# Altium PCB Brake Module PCB.PcbDoc (part 2 of 3)
Units mm, origin at the board's own origin, x right, y up, seen from the top; angles counter-clockwise.
Board outline 88.4 x 110.16 mm, 4 copper layers (Top Layer, Int1 (GND), Int2 (PWR), Bottom Layer), stack 1.369 mm thick; 168 components, 99 nets, 551 pads, 223 vias.
Unrouted connection lines stored in the file: 3.
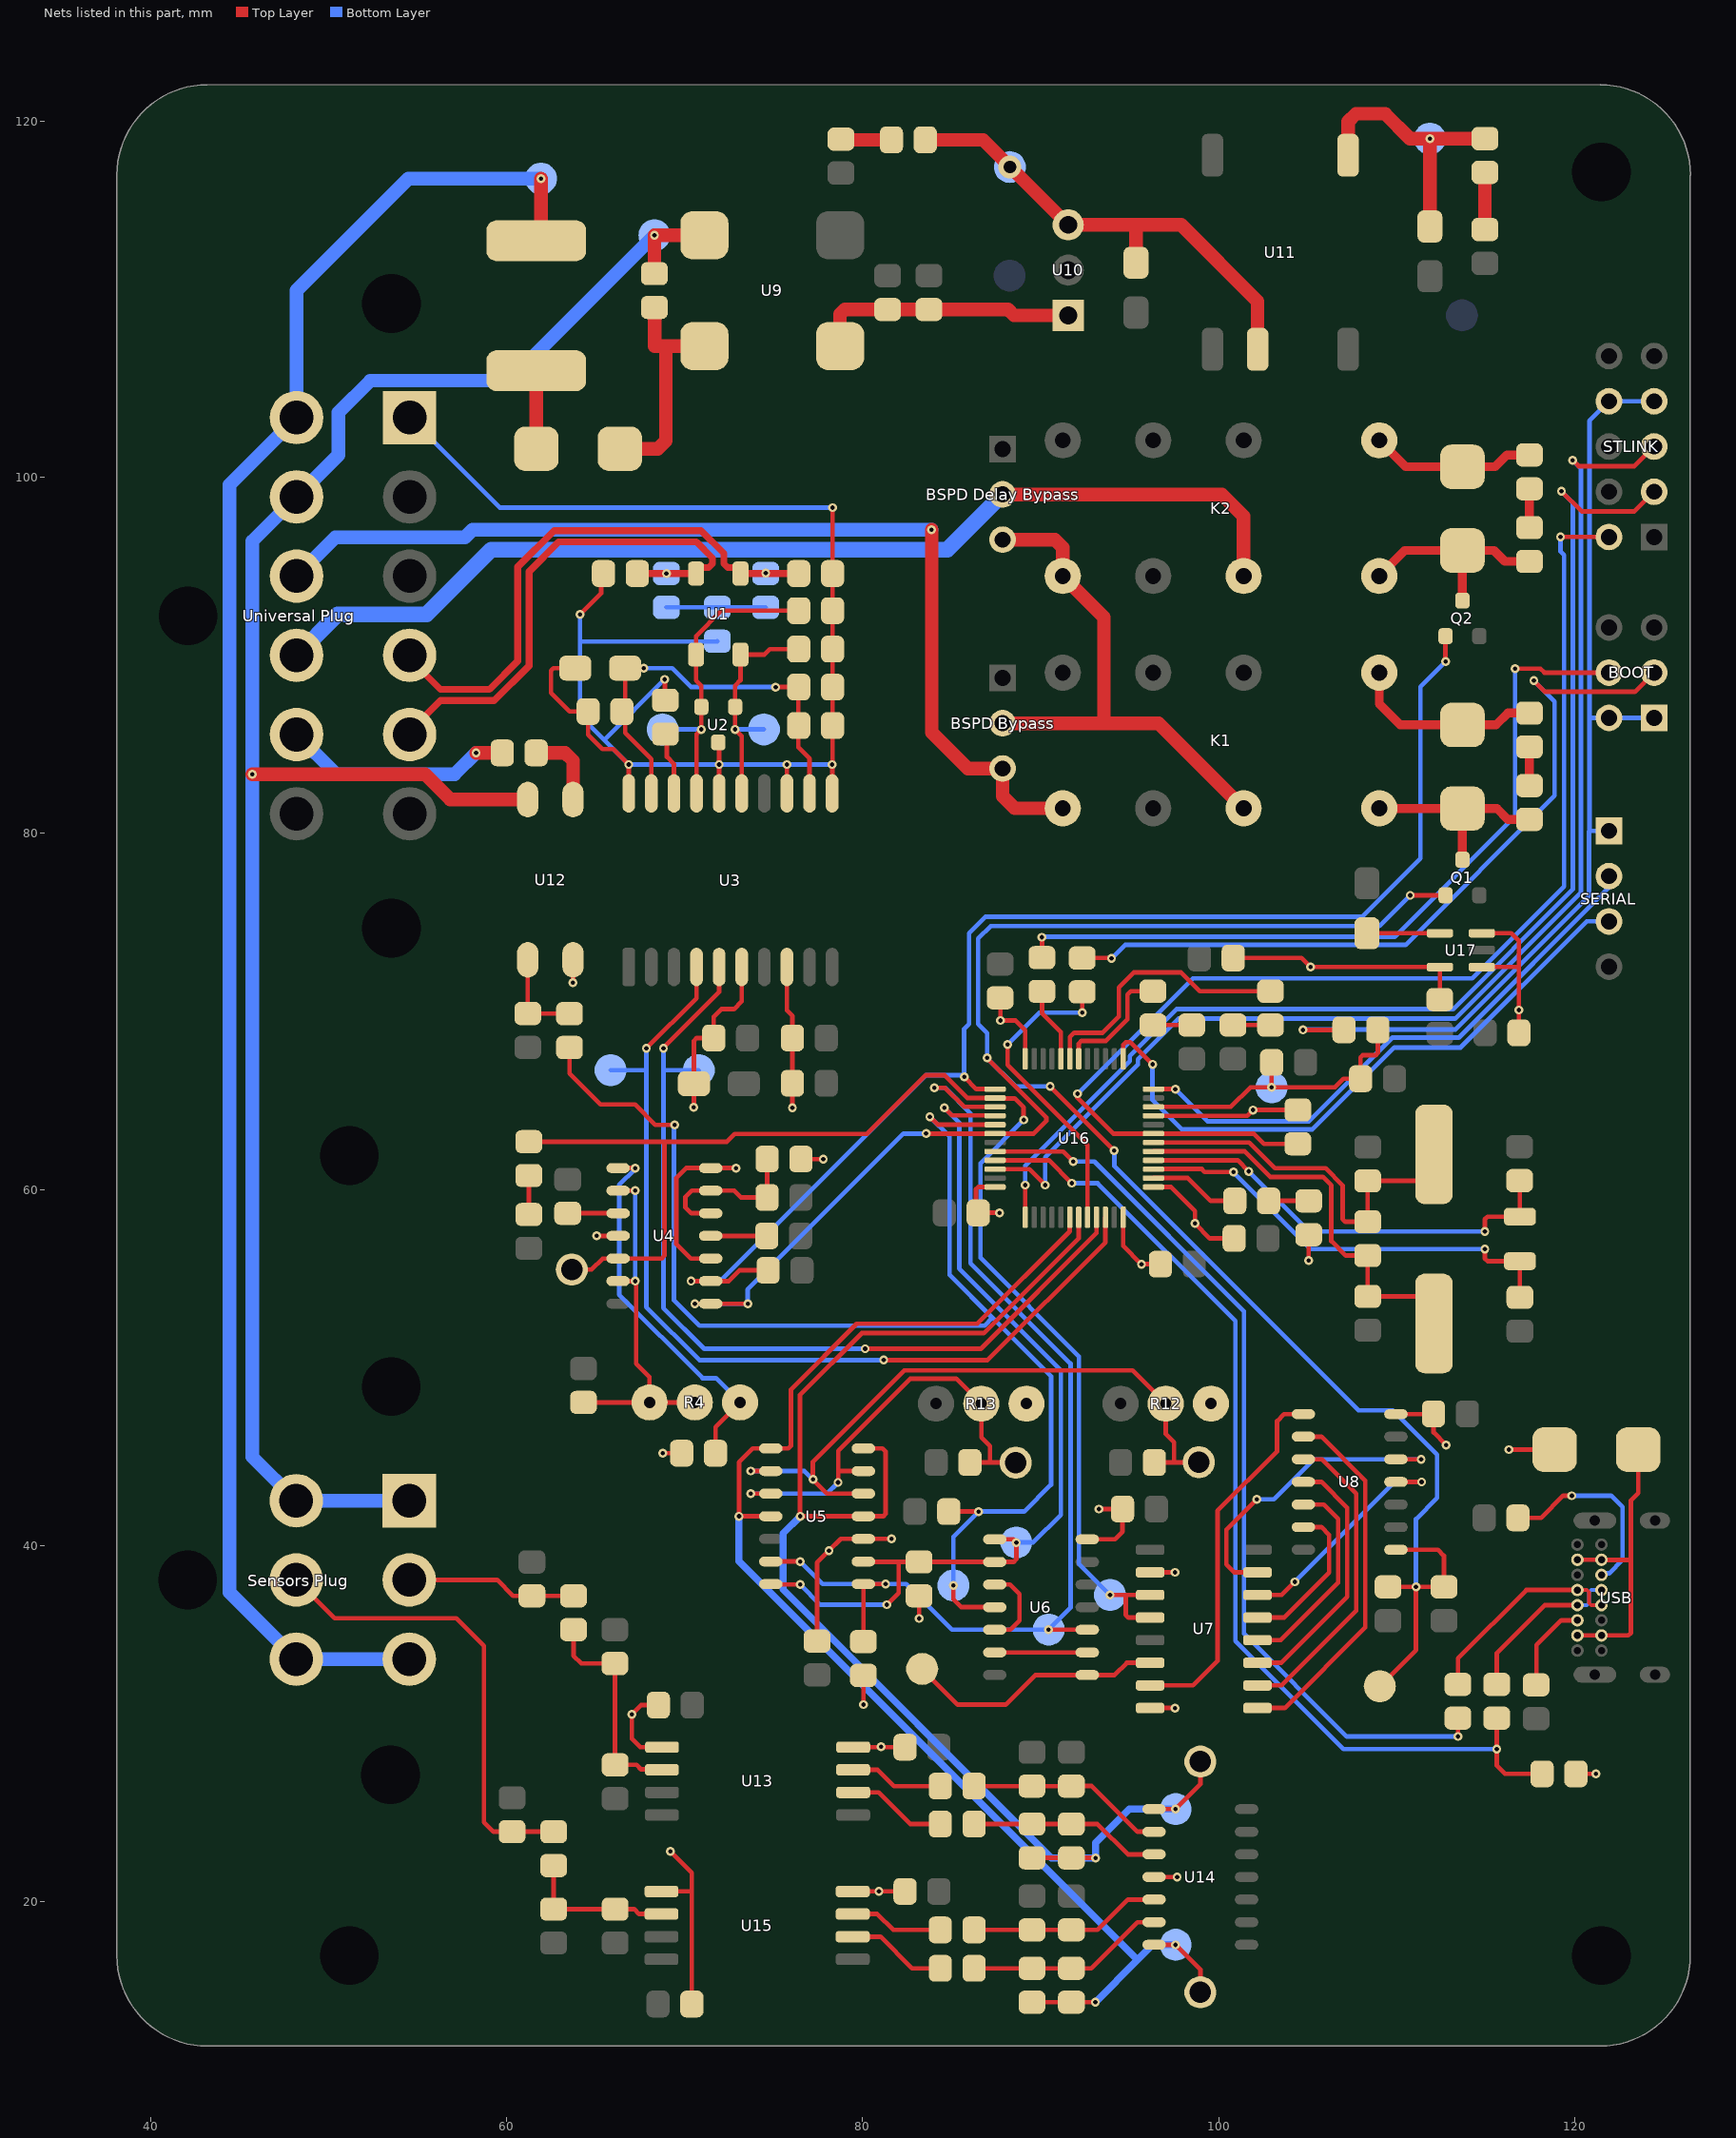
[diagram p4: the nets of this part, all layers, seen from the top]

## Via types
v1: diameter 0.5, hole 0.25, Top Layer to Bottom Layer, tented both sides, 220 vias
v2: diameter 1.27, hole 0.711, Top Layer to Bottom Layer, tented both sides, 2 vias
v3: diameter 0.5, hole 0.255, Top Layer to Bottom Layer, tented both sides, 1 vias

## Nets (pads, with @x,y where several pads share a name; then routed paths per layer and width w, separated by ;. In a path a pad name is that pad's centre, name@x,y a point inside that pad or via, vN(x,y) a via of type N, cw(c..) or ccw(c..) an arc to the next point about the centre after c; other vN are vias at no path point) (continued)
"3.3V (ISO)": BOOT.1 BOOT.2 C41.2 C42.2 C43.2 C44.2 C51.2 C52.2 D2.A R38.2 R43.2 SERIAL.1 STLINK.7 STLINK.8 U16.1 U16.9 U16.24 U16.36 U16.48 U17.5 | length 100.2
  Top Layer w0.254: 86.604,60.138 U16.36@87.433,60.138 86.479,60.138 86.36,60.019 86.36,58.7 v1@87.689,58.7 ; C42.2@87.715,71.216 87.731,71.201 v1(87.731,69.492) 88.573,69.492 89.133,68.932 U16.24@89.133,67.338 ; U16.48@94.633,58.438 94.633,56.828 v1(95.656,55.805) C44.2@96.725,55.805 ; U16.1@96.333,60.138 97.317,60.138 98.666,58.788 v1(98.666,58.09) 99.505,57.252 C41.2@100.865,57.252 ; U16.9@96.333,64.138 101.603,64.138 v1@101.93,64.465 ; C51.2@100.811,72.999 104.648,72.999 v1(105.155,72.492) U17.5@112.42,72.492 C52.2@112.42,70.661 ; v1(101.93,64.463) R38.2@104.446,64.463 ; v1(104.724,68.961) R43.2@107.036,68.961 ; v1(105.055,56.019) D2.A@105.055,57.458
  Bottom Layer w0.254: v1(104.724,68.961) 104.75,68.986 113.312,68.986 120.802,76.477 120.802,80.112 120.828,80.138 120.828,86.488 ; 120.853,80.138 SERIAL.1@121.92,80.138 ; BOOT.1@124.46,86.488 BOOT.2@121.92,86.488 120.828,86.488 ; STLINK.7@124.46,104.268 STLINK.8@121.92,104.268 120.828,103.175 120.828,86.488
  other v1: 87.689,58.684
5kW: "Universal Plug.8" R16.2 | length 13
  Top Layer w0.762: v1(58.276,84.521) R16.2@59.751,84.521
  Bottom Layer w0.762: 48.195,85.55 50.42,83.325 57.08,83.325 v1(58.276,84.521)
"5kW (ISO)": 5kW.1 R8.1 R18.1 U6.4 U16.29 | length 78.8
  Top Layer w0.254: R18.1@63.526,67.974 63.526,66.522 65.278,64.77 67.208,64.77 68.351,63.627 v1(69.437,63.627) ; v1(83.769,64.085) 84.208,63.646 U16.29@87.433,63.646 ; R8.1@84.833,41.911 v1(86.512,41.911) ; v1(85.097,37.759) 85.097,36.975 85.533,36.539 U6.4@87.415,36.539
  Bottom Layer w0.254: v1(69.437,63.627) 69.437,63.623 69.391,63.578 69.391,53.784 70.825,52.35 86.843,52.35 87.287,52.794 90.577,49.505 90.577,43.417 89.071,41.911 v1(86.512,41.911) 85.097,40.495 v1(85.097,37.759) ; v1(83.769,64.085) 84.875,62.979 84.875,55.2 87.284,52.791
5V: 5V.1 C27.2 C30.2 C35.2 D4.A U10.3 U11.2 U13.1 U15.1 | length 43
  Top Layer w0.254: C30.2@68.519,31.04 67.54,31.04 v1(67.025,30.525) 67.025,29.15 67.498,28.677 U13.1@68.719,28.677 ; U15.1@68.694,20.574 70.399,20.574 70.4,20.575 ; v1(69.2,22.825) 70.4,21.625 70.4,20.575 ; C35.2@70.4,14.249 70.4,20.575
  Top Layer w0.762: D4.A@83.512,118.951 86.766,118.95 U10.3@91.542,114.174 91.543,114.175 97.89,114.175 102.184,109.881 U11.2@102.184,107.185 ; C27.2@95.352,112.05 95.352,114.15
  other v2: 88.265,117.424
"5V (ISO)": "5V (ISO).1" C10.2 C11.2 C12.2 C13.2 C18.2 C19.2 C20.2 C28.2 C31.2 C36.2 C49.2 D5.A D6.K D7.A D8.K D9.A D10.K K1.1 K2.1 R2.2 R3.2 R9.2 R10.2 R12.3 R13.3 R32.2 U3.6 U3.8 U4.4 U4.10 U4.14 U5.3 U6.14 U7.10 U7.16 U8.14 U11.5 U12.4 U13.8 U14.4 U15.8 U17.1 U17.3 | length 111.5
  Top Layer w0.254: v1(63.723,71.623) U12.4@63.723,72.897 ; v1(65.055,57.393) U4.4@66.257,57.393 ; v1(68.758,45.187) R2.2@69.826,45.187 ; v1(70.51,64.618) 70.519,64.626 70.519,68.357 70.667,68.505 C11.2@71.63,68.505 71.63,69.7 72.06,70.13 72.771,70.13 73.203,70.562 U3.6@73.203,72.492 ; U4.10@71.457,56.123 70.34,56.123 69.527,56.936 69.527,60.644 70.086,61.203 U4.14@71.457,61.203 v1(72.88,61.203) ; U3.8@75.743,72.492 75.743,70.055 76.051,69.747 C13.2@76.051,68.505 C10.2@76.051,65.965 v1(76.051,64.595) ; R3.2@76.528,61.707 v1(77.788,61.707) ; C18.2@77.435,34.633 77.435,39.038 v1(78.104,39.706) 78.772,40.375 U5.3@80.035,40.375 v1(81.617,40.375) ; U15.8@79.439,20.574 v1(80.906,20.574) C36.2@82.374,20.575 ; U13.8@79.464,28.677 C31.2@81.866,28.677 ; v1(80.035,31.064) R10.2@80.035,32.708 ; v1(83.166,35.904) R9.2@83.166,37.179 ; U6.14@92.615,40.349 94.165,40.349 94.597,40.781 C19.2@94.597,42.051 v1(93.276,42.051) ; U7.16@96.146,30.875 v1(97.536,30.875) ; U7.10@96.146,38.495 v1(97.536,38.495) ; U14.4@96.368,21.387 v1(97.663,21.387) ; U8.14@109.957,47.385 C20.2@112.097,47.385 ; C20.2@112.067,47.374 112.067,46.354 v1(112.776,45.644) ; U17.1@114.783,72.492 116.863,72.492 ; U17.3@114.783,74.392 116.433,74.392 116.863,73.962 116.863,72.492 ; v1(116.307,45.39) D10.K@118.867,45.39 ; C49.2@116.863,68.799 116.863,72.492 ; R32.2@120.065,27.178 v1(121.183,27.178)
  Top Layer w0.5: K1.1@109.017,89.028 109.017,87.274 110.196,86.095 D6.K@113.69,86.095 115.584,86.095 116.246,86.757 D7.A@117.455,86.757 ; K2.1@109.017,102.075 110.502,100.59 D8.K@113.69,100.59 115.524,100.59 116.186,101.251 D9.A@117.423,101.251
  Top Layer w0.762: U11.5@107.264,118.085 107.264,119.976 107.711,120.422 109.347,120.422 110.747,119.022 v1@111.862,119.022 ; C28.2@111.862,114.089 v1@111.862,119.022 ; v1(111.862,119.023) v1@111.862,119.022 ; D5.A@114.955,119.022 v1@111.862,119.022
  other v1: 81.026,28.702 116.863,70.079
12V/24V: C25.2 C26.2 U9.2 U10.1 | length 14.8
  Top Layer w0.762: U9.2@78.725,107.374 78.725,109.154 78.997,109.426 C25.2@81.399,109.426 C26.2@83.724,109.426 88.162,109.426 88.494,109.094 U10.1@91.542,109.094
BOOT0: BOOT.3 R39.1 | length 44.7
  Top Layer w0.254: R39.1@92.329,72.999 v1@93.98,72.999 ; v1(117.7,88.575) 118.324,87.951 123.383,87.951 BOOT.3@124.46,89.028
  Bottom Layer w0.254: v1(93.98,72.975) 94.741,73.736 110.49,73.736 118.872,82.118 118.872,87.403 v1(117.7,88.575)
BOOT1: BOOT.4 R40.2 | length 44.2
  Top Layer w0.254: R40.2@90.069,73.024 v1(90.069,74.169) ; v1(116.65,89.25) 118.075,89.25 118.297,89.028 BOOT.4@121.92,89.028
  Bottom Layer w0.254: v1(90.069,74.169) 90.094,74.193 109.88,74.193 116.65,80.964 v1(116.65,89.25)
"BSPD DELAY (ISO)": Q2.G R6.1 U4.9 U16.25 | length 75.1
  Top Layer w0.254: v1(70.358,54.853) U4.9@71.457,54.853 72.473,54.853 73.077,55.456 R6.1@74.686,55.456 ; v1(85.7,66.32) 86.382,65.638 U16.25@87.433,65.638 ; v1(112.74,89.652) Q2.G@112.74,91.076
  Bottom Layer w0.254: v1(70.358,54.853) 71.997,54.853 83.554,66.409 ; 83.541,66.422 85.598,66.422 v1(85.7,66.32) 85.7,69.012 85.979,69.292 85.979,74.397 86.893,75.311 108.052,75.311 111.328,78.588 111.328,88.24 v1(112.74,89.652)
"BSPD OK": BSPD.1 C21.2 Q1.G R11.2 U4.8 U8.8 U16.30 | length 123.6
  Top Layer w0.254: v1(70.566,53.583) U4.8@71.457,53.583 v1(73.542,53.583) ; v1(83.559,63.138) U16.30@87.433,63.138 89.604,63.138 90.314,63.848 90.314,64.058 86.995,67.377 v1(86.995,67.387) ; v1(90.526,65.787) 90.526,65.784 v1(94.131,62.179) ; BSPD.1@109.049,32.099 111.082,34.132 v1(111.082,37.681) ; C21.2@109.507,37.681 v1(111.082,37.681) ; U8.8@109.957,39.765 112.31,39.765 112.649,39.426 112.649,37.688 R11.2@112.656,37.681 v1(111.082,37.681) ; v1(110.76,76.521) Q1.G@112.74,76.521
  Bottom Layer w0.254: v1(70.566,53.583) v1@73.533,53.583 ; v1(73.542,53.583) 73.533,53.592 73.533,54.381 82.289,63.138 v1(83.559,63.138) ; v1(90.526,65.787) 88.585,65.787 86.995,67.377 v1(86.995,67.387) 86.995,68.784 86.487,69.292 86.487,74.092 87.195,74.8 109.039,74.8 v1(110.76,76.521) ; v1(94.131,62.179) 94.131,61.318 107.849,47.6 109.779,47.6 112.268,45.111 112.268,42.673 111.082,41.486 v1(111.082,37.681)
"CAN RX INDC": "CAN RX.A" U16.19 | length 15.4
  Top Layer w0.254: U16.19@91.633,67.338 91.633,68.558 91.875,68.8 93.476,68.8 94.386,69.711 94.386,71.349 95.221,72.184 97.895,72.184 98.941,71.138 102.906,71.138
"CAN TX INDC": "CAN TX.A" U16.18 | length 7.1
  Top Layer w0.254: U16.18@92.133,67.338 92.133,68.194 92.282,68.343 93.665,68.343 94.869,69.547 94.869,70.943 95.064,71.138 96.302,71.138
CANH_P: "CAN TERM R1.2" "Universal Plug.5" C3.2 U1.2 | length 29.9
  Top Layer w0.381: 54.545,85.55 54.545,85.734 56.268,87.457 56.847,87.457 59.298,87.458 61.254,89.414 61.254,94.706 62.916,96.368 70.659,96.368 71.564,95.462 71.564,95.146 71.341,94.923 70.889,94.923 70.632,94.666 U1.2@70.632,94.593 ; C3.2@67.334,94.593 v1(68.97,94.593) U1.2@70.607,94.593
CANL_N: "CAN TERM R2.1" "Universal Plug.4" C2.2 U1.1 | length 30.9
  Top Layer w0.381: 54.545,90 54.545,89.816 56.268,88.092 56.584,88.092 59.035,88.093 60.619,89.677 60.619,94.969 62.653,97.003 70.922,97.003 72.2,95.725 72.2,95.146 72.423,94.923 72.875,94.923 73.132,94.666 U1.1@73.132,94.593 C2.2@76.405,94.593
  other v1: 74.549,94.615
CANS: "Universal Plug.1" C1.2 C2.1 C3.1 C4.1 C5.1 C6.1 C7.1 C8.1 C9.1 R1.1 U2.3 U3.11 U3.13 U3.16 U3.20 | length 95.6
  Top Layer w0.254: C7.1@63.85,89.282 62.633,89.282 62.484,89.133 62.484,87.884 63.526,86.842 C6.1@64.57,86.842 64.57,85.544 65.38,84.734 65.987,84.734 v1(66.853,83.869) U3.20@66.853,82.245 ; v1(64.122,92.303) 65.307,93.487 C3.1@65.307,94.593 ; v1(68.881,88.651) 68.881,87.504 R1.1@68.909,87.477 ; U3.16@71.933,82.245 v1(71.933,83.869) U2.3@71.933,85.106 ; U3.13@75.743,82.245 v1(75.743,83.869) ; U3.11@78.283,82.246 v1(78.283,83.869) v1@78.305,83.891 ; U3.11@78.305,83.281 v1@78.305,83.891 ; v1(78.305,98.298) C2.1@78.305,94.593 C5.1@78.305,92.508 C4.1@78.305,90.349 C8.1@78.305,88.216 C9.1@78.305,86.056 v1@78.305,83.891
  Bottom Layer w0.254: 54.545,103.35 59.597,98.298 v1(78.305,98.298) ; v1(64.122,92.303) 64.122,90.78 ; 65.476,85.246 v1(68.881,88.651) ; C1.2@71.832,90.793 71.818,90.78 64.122,90.78 ; v1(78.283,83.869) v1(75.743,83.869) v1(71.933,83.869) v1(66.853,83.869) 65.453,85.269 64.122,86.6 64.122,90.78
CLOCK: Clock.1 D1.A P2.1 U4.5 U7.11 U7.12 U16.26 | length 78.3
  Top Layer w0.254: D1.A@61.24,62.684 68.857,62.684 ; P2.1@63.652,55.499 64.766,55.499 65.39,56.123 U4.5@66.257,56.123 68.708,56.123 68.857,56.272 68.857,62.684 ; v1(89.052,63.907) 89.035,63.924 89.035,64.618 88.539,65.115 87.838,65.115 87.823,65.13 85.884,65.13 84.592,66.422 83.541,66.422 80.237,63.117 72.795,63.117 72.361,62.684 68.857,62.684 ; v1(93.892,37.225) 94.774,37.225 ; U7.12@96.146,35.955 94.923,35.955 94.774,36.104 94.774,37.225 ; U7.11@96.146,37.225 94.774,37.225
  Bottom Layer w0.254: v1(89.052,63.907) 86.614,61.469 86.614,56.161 92.15,50.625 92.15,38.967 v1(93.892,37.225)
GLV+: "Sensors Plug.3" "Sensors Plug.4" "Universal Plug.12" F1.1 GLV+.1 | length 106.2
  Top Layer w0.762: F1.1@61.925,113.285 v1(61.925,116.775)
  Bottom Layer w0.762: 54.525,33.62 48.175,33.62 44.425,37.37 44.425,99.58 48.195,103.35 48.195,110.495 54.475,116.775 v1(61.925,116.775)
GLV-: "Sensors Plug.1" "Sensors Plug.6" "Universal Plug.11" C24.1 GLV-.1 U9.4 U12.2 | length 113.4
  Top Layer w0.762: v1(45.7,83.325) 55.4,83.325 56.828,81.897 U12.2@61.183,81.897 ; C24.1@68.311,111.431 68.296,111.446 v1(68.296,113.594) U9.4@71.105,113.594
  Bottom Layer w0.762: 54.525,42.52 48.175,42.52 45.7,44.995 v1(45.7,83.325) 45.7,96.405 50.546,101.251 50.546,103.641 52.339,105.434 60.137,105.434 v1(68.296,113.594)
"Green Loop IN": "BSPD Bypass.3" "Universal Plug.10" K1.9 | length 58.2
  Top Layer w0.762: v1(83.871,97.053) 83.871,85.675 85.903,83.643 87.859,83.643 87.859,82.093 88.544,81.408 K1.9@91.237,81.408
  Bottom Layer w0.762: 48.195,94.45 50.37,96.625 57.65,96.625 58.078,97.053 v1(83.871,97.053)
"Green Loop OUT": "BSPD Delay Bypass.2" "Universal Plug.9" K2.13 | length 60.8
  Top Layer w0.762: 87.859,99.035 100.178,99.035 101.397,97.816 K2.13@101.397,94.455
  Bottom Layer w0.889: 48.195,90 50.495,92.3 55.5,92.3 59.136,95.936 84.759,95.936 87.859,99.035
"H REF": C22.2 P7.1 R12.2 U5.5 U5.9 | length 37.7
  Top Layer w0.254: v1(73.711,44.185) U5.9@74.835,44.185 ; v1@77.191,43.713 77.989,42.915 U5.5@80.035,42.915 ; v1(77.217,43.713) 77.191,43.739 77.191,44.69 82.332,49.832 95.162,49.832 R12.2@97.025,47.969 97.025,46.252 97.483,45.794 97.483,44.667 ; C22.2@96.385,44.667 97.483,44.667 ; 97.975,44.667 97.483,44.667 ; 97.975,44.679 P7.1@98.882,44.679
  Bottom Layer w0.254: v1(73.711,44.185) 76.719,44.185 77.191,43.713 v1(77.217,43.713)
"L REF": C23.2 P8.1 R13.2 U5.6 U5.10 | length 25.8
  Top Layer w0.254: v1(73.711,42.915) U5.10@74.835,42.915 ; v1@78.625,43.556 78.625,44.185 ; U5.6@80.035,44.185 78.625,44.185 ; C23.2@86.022,44.667 87.147,44.667 ; P8.1@88.595,44.654 88.582,44.667 87.147,44.667 ; 78.625,44.185 78.625,45.325 82.675,49.375 85.256,49.375 R13.2@86.662,47.969 86.662,46.079 87.147,45.594 87.147,44.667
  Bottom Layer w0.254: v1(73.711,42.915) 77.984,42.915 v1(78.615,43.546)
"NetBSPD Bypass_2": "BSPD Bypass.2" "BSPD Delay Bypass.3" K1.13 K2.9 | length 29.9
  Top Layer w0.762: 87.859,86.183 93.55,86.183 ; 87.859,96.495 90.79,96.495 91.237,96.049 K2.9@91.237,94.455 93.55,92.141 93.55,86.183 ; K1.13@101.397,81.408 96.622,86.183 93.55,86.183
NetC1_1: "CAN TERM R1.1" "CAN TERM R2.2" C1.1 | length 5.6
  Bottom Layer w0.254: 68.97,92.693 C1.1@71.832,92.693 74.549,92.693
NetC4_2: C4.2 CANL.1 U1.4 U2.1 U3.15 | length 13.1
  Top Layer w0.254: U3.15@73.203,82.245 73.203,85.468 v1(72.832,85.839) U2.1@72.832,87.106 72.822,87.116 72.822,88.29 73.132,88.601 U1.4@73.132,90.043 74.473,90.043 74.779,90.349 C4.2@76.405,90.349
  Bottom Layer w0.254: v1(72.832,85.839) CANL.1@74.447,85.839
NetC5_2: C5.2 CANH.1 U1.3 U2.2 U3.17 | length 17.6
  Top Layer w0.254: U3.17@70.663,82.245 70.663,85.57 v1(70.932,85.839) U2.2@70.932,87.106 70.932,88.291 70.632,88.591 U1.3@70.632,90.043 70.632,91.079 72.061,92.508 C5.2@76.405,92.508
  Bottom Layer w0.254: CANH.1@68.758,85.839 v1(70.932,85.839)
NetC6_2: C6.2 C7.2 C8.2 C9.2 U3.12 U3.19 | length 24.1
  Top Layer w0.254: v1(67.696,89.282) C7.2@66.65,89.282 66.65,86.842 66.65,85.653 68.123,84.18 U3.19@68.123,82.245 ; v1(75.108,88.216) 76.383,88.216 76.383,84.831 77.013,84.201 U3.12@77.013,82.245
  Bottom Layer w0.254: v1(67.696,89.282) 69.291,89.282 70.357,88.216 v1(75.108,88.216)
NetC15_2: C15.2 U4.3 | length 2.8
  Top Layer w0.254: C15.2@63.423,58.663 U4.3@66.257,58.663
NetC16_2: C16.2 U4.11 | length 3.2
  Top Layer w0.254: U4.11@71.457,57.393 C16.2@74.609,57.393
NetC17_2: C17.2 R3.1 U4.12 U4.13 | length 9.2
  Top Layer w0.254: U4.12@71.457,58.663 70.365,58.663 70.035,58.993 70.035,59.577 70.39,59.933 U4.13@71.457,59.933 72.783,59.933 73.166,59.55 C17.2@74.628,59.55 R3.1@74.628,61.707
NetC24_2: C24.2 D3.K U9.1 | length 13
  Top Layer w0.762: D3.K@66.36,101.601 68.489,101.601 68.936,102.047 68.936,107.374 ; C24.2@68.311,109.531 68.311,107.374 U9.1@71.105,107.374
NetC29_2: C29.2 C39.2 R28.2 U13.2 | length 12.4
  Top Layer w0.254: R28.2@63.753,35.276 63.753,33.808 64.185,33.376 C39.2@66.076,33.376 66.084,33.368 66.084,27.692 C29.2@66.092,27.684 67.286,27.684 67.537,27.434 68.692,27.434 U13.2@68.719,27.407
NetC32_2: C32.2 R21.2 R22.2 U14.2 | length 11.2
  Top Layer w0.254: R21.2@86.257,26.491 R22.2@89.509,26.491 C32.2@91.719,26.491 ; C32.2@91.719,26.491 92.862,26.492 95.428,23.927 U14.2@96.368,23.927
NetC33_1: "S1 AMP.1" C33.1 R20.2 S1.1 U5.4 U5.7 U14.1 U16.43 | length 79.5
  Top Layer w0.254: U5.7@80.035,45.455 81.114,45.455 81.28,45.289 81.28,41.764 81.161,41.645 U5.4@80.035,41.645 v1(76.479,41.645) 76.479,48.463 79.948,51.932 86.806,51.932 92.133,57.259 U16.43@92.133,58.438 ; R20.2@89.509,22.459 C33.1@91.719,22.458 ; C33.1@91.719,22.458 v1(93.087,22.458) ; U14.1@96.368,25.197 v1(97.578,25.197) 98.968,26.587 S1.1@98.968,27.864
  Bottom Layer w0.4: v1(76.479,41.645) 75.514,40.68 75.514,37.541 90.598,22.458 v1(93.087,22.458) 93.087,23.313 94.971,25.197 v1(97.578,25.197)
NetC33_2: C33.2 R19.2 R20.1 U14.3 | length 10.8
  Top Layer w0.254: R19.2@86.257,24.359 C33.2@91.719,24.358 ; C33.2@91.719,24.358 93.193,24.358 94.894,22.657 U14.3@96.368,22.657
NetC34_2: C34.2 C40.2 R30.2 U15.2 | length 8.6
  Top Layer w0.254: R30.2@62.636,22.029 C40.2@62.636,19.582 C34.2@66.092,19.582 67.159,19.582 67.437,19.304 U15.2@68.694,19.304
NetC37_2: C37.2 R25.2 R26.2 U14.5 | length 10.8
  Top Layer w0.254: R25.2@86.257,18.414 93.192,18.414 94.894,20.117 U14.5@96.368,20.117
NetC38_1: "S2 AMP.1" C38.1 R24.2 S2.1 U5.8 U5.11 U14.7 U16.42 | length 79.5
  Top Layer w0.254: U5.11@74.835,41.645 v1(73.05,41.645) 73.05,44.679 73.827,45.455 75.823,45.455 75.971,45.604 75.971,48.768 79.654,52.451 86.436,52.451 91.625,57.64 U16.42@91.625,58.438 ; R24.2@89.509,14.355 C38.1@91.719,14.355 v1(93.07,14.355) ; U14.7@96.368,17.577 v1(97.578,17.577) 98.968,16.187 S2.1@98.968,14.91
  Bottom Layer w0.4: v1(73.05,41.645) 73.05,39.116 95.441,16.726 ; v1(93.07,14.355) 95.441,16.726 ; v1(97.578,17.577) 96.291,17.577 95.441,16.726
NetC38_2: C38.2 R23.2 R24.1 U14.6 | length 11.2
  Top Layer w0.254: R23.2@86.257,16.255 R24.1@89.509,16.255 92.836,16.255 95.428,18.847 U14.6@96.368,18.847
NetC50_2: C50.2 U17.4 | length 4.1
  Top Layer w0.254: C50.2@108.33,74.392 U17.4@112.42,74.392
"NetCAN RX_1": "CAN RX.1" U3.4 U16.46 | length 53.4
  Top Layer w0.254: v1(67.843,67.92) 70.663,70.739 U3.4@70.663,72.492 ; v1(81.178,50.419) 87.019,50.419 93.634,57.034 U16.46@93.634,58.438
  Bottom Layer w0.254: 65.837,66.7 67.843,66.7 ; v1(67.843,67.92) 67.843,66.7 ; v1(81.178,50.419) 70.825,50.419 67.843,53.401 67.843,66.7
"NetCAN RX_K": "CAN RX.K" R47.2 | length 2.1
  Top Layer w0.254: R47.2@100.799,69.238 102.906,69.238
"NetCAN TX_1": "CAN TX.1" U3.5 U16.45 | length 51.2
  Top Layer w0.254: v1@68.806,67.967 71.933,71.095 U3.5@71.933,72.492 ; v1(80.137,51.054) 86.635,51.054 93.133,57.552 U16.45@93.133,58.438
  Bottom Layer w0.254: v1(68.806,67.92) 68.806,66.7 ; 70.79,66.7 68.806,66.7 ; v1(80.137,51.054) 71.088,51.054 68.806,53.336 68.806,66.7
"NetCAN TX_K": "CAN TX.K" R46.2 | length 2.2
  Top Layer w0.254: 96.302,69.238 R46.2@98.487,69.238
NetD1_K: D1.K R7.2 | length 2.2
  Top Layer w0.254: R7.2@61.24,58.596 D1.K@61.24,60.784
NetD2_K: D2.K R45.2 | length 2.1
  Top Layer w0.254: R45.2@102.803,59.358 D2.K@104.94,59.358
NetD3_A: D3.A F1.2 | length 4.4
  Top Layer w0.762: D3.A@61.66,101.601 F1.2@61.66,105.985
NetD4_K: D4.K R14.2 | length 2.8
  Top Layer w0.762: R14.2@78.776,118.95 D4.K@81.612,118.951
NetD5_K: D5.K R15.2 | length 3.2
  Top Layer w0.762: R15.2@114.955,113.918 D5.K@114.955,117.122
NetD6_A: D6.A K1.16 Q1.D R48.1 | length 11.6
  Top Layer w0.5: K1.16@109.017,81.395 D6.A@113.69,81.395 ; Q1.D@113.69,78.521 D6.A@113.69,81.395 ; R48.1@117.455,80.783 116.241,80.783 115.629,81.395 D6.A@113.69,81.395
NetD7_K: D7.K R48.2 | length 2.2
  Top Layer w0.5: R48.2@117.455,82.683 D7.K@117.455,84.857
NetD8_A: D8.A K2.16 Q2.D R49.1 | length 12.1
  Top Layer w0.5: K2.16@109.017,94.455 110.452,95.89 D8.A@113.69,95.89 ; Q2.D@113.69,93.076 D8.A@113.69,95.89 ; R49.1@117.455,95.278 116.076,95.278 115.464,95.89 D8.A@113.69,95.89
NetD9_K: D9.K R49.2 | length 2.2
  Top Layer w0.5: R49.2@117.455,97.177 D9.K@117.455,99.352
NetD10_A: D10.A USB.A4 USB.A9 USB.B4 USB.B9 | length 16.5
  Top Layer w0.254: USB.A4@120.15,34.952 USB.B9@121.5,34.952 123.012,34.952 123.161,35.101 123.161,39.193 ; USB.A9@120.15,39.202 USB.B4@121.5,39.202 121.509,39.193 123.161,39.193 ; D10.A@123.567,45.39 123.567,42.942 123.161,42.536 123.161,39.193
"NetHigh P_1": "High P.1" R9.1 U5.2 U5.14 U6.1 U6.2 U16.28 | length 52.3
  Top Layer w0.254: U5.14@74.835,37.835 74.85,37.821 v1(76.479,37.821) ; U5.2@80.035,39.105 80.061,39.079 82.017,39.079 ; v1(81.356,36.678) 82.017,37.338 82.017,39.079 ; v1(84.582,64.593) 85.021,64.154 U16.28@87.433,64.154 ; U6.1@87.415,40.349 88.45,40.349 v1(88.628,40.172) 88.628,39.228 88.479,39.079 U6.2@87.415,39.079 R9.1@83.166,39.079 82.017,39.079
  Bottom Layer w0.254: v1(76.479,37.821) 77.622,36.678 v1(81.356,36.678) ; v1(84.582,64.593) 85.42,63.755 85.42,55.555 91.125,49.85 91.125,41.722 89.586,40.183 88.639,40.183 v1(88.628,40.172)
"NetLow P_1": "Low P.1" R10.1 U5.1 U5.13 U6.10 U16.27 | length 62.2
  Top Layer w0.254: U5.13@74.835,39.105 v1(76.479,39.105) ; R10.1@80.035,34.608 U5.1@80.035,37.835 v1(81.287,37.835) ; v1(84.023,65.71) 84.621,65.71 85.694,64.638 U16.27@87.433,64.638 ; v1(90.442,35.269) U6.10@92.615,35.269
  Bottom Layer w0.254: v1(76.479,39.105) 77.749,37.835 v1(81.287,37.835) 82.44,37.835 85.006,35.269 v1(90.442,35.269) 91.675,36.502 91.675,50.225 86.055,55.845 86.055,64.276 84.633,65.699 v1(84.023,65.71)
NetP5_1: P5.1 U6.8 U7.14 | length 14.6
  Top Layer w0.254: P5.1@83.337,33.071 85.344,31.064 88.036,31.064 89.702,32.729 94.146,32.729 94.832,33.415 U7.14@96.146,33.415
NetR1_2: R1.2 U3.18 | length 3.3
  Top Layer w0.254: R1.2@68.994,85.385 68.994,84.295 69.393,83.896 U3.18@69.393,82.245
NetR2_1: R2.1 R4.3 U4.1 | length 21.2
  Top Layer w0.254: U4.1@66.257,61.203 v1(67.212,61.203) ; R2.1@71.726,45.187 71.726,46.664 R4.3@73.104,48.041
  Bottom Layer w0.254: v1(67.212,61.203) 67.212,61.14 66.319,60.247 66.319,54.081 71,49.4 71.749,49.4 73.104,48.045 R4.3@73.104,48.041
NetR16_1: R16.1 U12.1 | length 4.4
  Top Layer w0.762: R16.1@61.651,84.521 63.277,84.521 63.723,84.075 U12.1@63.723,81.897
NetR17_2: R17.2 R18.2 U12.3 | length 5.4
  Top Layer w0.254: U12.3@61.183,72.897 R17.2@61.183,69.881 61.187,69.877 63.523,69.877 R18.2@63.526,69.874
NetR19_1: R19.1 U13.6 | length 5.6
  Top Layer w0.254: U13.6@79.464,26.137 80.899,26.137 82.678,24.358 R19.1@84.357,24.358
NetR21_1: R21.1 U13.7 | length 5.3
  Top Layer w0.254: U13.7@79.464,27.407 80.848,27.407 81.763,26.491 R21.1@84.357,26.491
NetR23_1: R23.1 U15.6 | length 5.7
  Top Layer w0.254: U15.6@79.439,18.034 81.001,18.034 82.779,16.255 R23.1@84.357,16.255
NetR25_1: R25.1 U15.7 | length 5.3
  Top Layer w0.254: U15.7@79.439,19.304 80.823,19.304 81.713,18.414 R25.1@84.357,18.414
NetR34_1: R34.1 USB.A6 USB.B6 | length 9.5
  Top Layer w0.203: USB.A6@120.148,36.65 USB.A6@120.15,36.652
  Top Layer w0.254: R34.1@115.62,32.204 115.62,33.959 118.311,36.65 USB.A6@120.148,36.65
  Bottom Layer w0.203: USB.A6@120.15,36.652 120.152,36.65 120.683,36.65 120.802,36.769 120.802,37.383 120.921,37.502 USB.B6@121.5,37.502
NetR35_1: R35.1 USB.A7 USB.B7 | length 11.8
  Top Layer w0.203: USB.A7@120.15,37.502 120.683,37.502 120.802,37.383 120.802,36.771 120.921,36.652 USB.B7@121.5,36.652
  Top Layer w0.254: R35.1@113.436,32.204 113.436,33.661 117.277,37.502 USB.A7@120.15,37.502
NetR36_1: R36.1 USB.A5 | length 5.1
  Top Layer w0.254: R36.1@117.855,32.176 117.855,34.416 119.241,35.802 USB.A5@120.15,35.802
NetR37_1: R37.1 USB.B5 | length 11.2
  Top Layer w0.254: R37.1@116.81,41.554 118.11,41.554 119.355,42.8 v1(119.837,42.8)
  Bottom Layer w0.254: v1(119.837,42.8) 122.047,42.799 122.682,42.164 122.682,39.192 121.927,38.437 121.585,38.437 USB.B5@121.5,38.352
NetR39_2: R39.2 U16.44 | length 17.7
  Top Layer w0.254: v1(88.138,68.149) 88.138,66.996 92.633,62.501 U16.44@92.633,58.438 ; v1(92.329,69.927) R39.2@92.329,71.099
  Bottom Layer w0.254: v1(88.138,68.149) 89.916,69.927 v1(92.329,69.927)
NetR40_1: R40.1 U16.20 | length 4.3
  Top Layer w0.254: R40.1@90.069,71.251 R40.1@90.069,71.124 90.069,69.901 91.123,68.847 ; U16.20@91.133,67.338 91.133,68.847
NetU6_3: U6.3 U6.5 | length 4.7
  Top Layer w0.254: U6.5@87.415,35.269 88.297,35.269 88.805,35.777 88.805,37.276 88.272,37.809 U6.3@87.415,37.809
NetU6_6: U6.6 U6.9 | length 5.2
  Top Layer w0.254: U6.6@87.415,33.999 U6.9@92.615,33.999
NetU7_1: U7.1 U8.2 | length 20.7
  Top Layer w0.254: U7.1@102.176,30.875 103.715,30.875 108.236,35.396 108.236,43.651 105.773,46.115 U8.2@104.757,46.115
NetU7_2: U7.2 U8.3 | length 17.6
  Top Layer w0.254: U7.2@102.176,32.145 103.537,32.145 107.728,36.336 107.728,42.908 105.791,44.845 U8.3@104.757,44.845
NetU7_3: U7.3 U8.4 | length 14.6
  Top Layer w0.254: U7.3@102.176,33.415 103.512,33.415 107.22,37.124 107.22,42.127 105.773,43.575 U8.4@104.757,43.575
NetU7_4: U7.4 U8.5 | length 11.7
  Top Layer w0.254: U7.4@102.176,34.685 103.487,34.685 106.712,37.911 106.712,41.492 105.9,42.305 U8.5@104.757,42.305
NetU7_5: U7.5 U8.6 | length 8.8
  Top Layer w0.254: U7.5@102.176,35.955 103.672,35.955 106.204,38.488 106.204,40.603 105.773,41.035 U8.6@104.757,41.035
NetU7_6: U7.6 U8.11 | length 13.3
  Top Layer w0.254: U7.6@102.176,37.225 103.537,37.225 v1(104.274,37.962) ; U8.11@109.957,43.575 v1(111.4,43.575)
  Bottom Layer w0.254: v1(104.274,37.962) 109.887,43.575 v1(111.4,43.575)
NetU7_7: U7.7 U8.12 | length 17.9
  Top Layer w0.254: v1(102.133,42.596) 100.432,40.895 100.432,38.939 100.875,38.495 U7.7@102.176,38.495 ; U8.12@109.957,44.845 v1(111.37,44.845)
  Bottom Layer w0.254: v1(102.133,42.596) 103.099,42.596 105.347,44.845 v1(111.37,44.845)
NetU7_15: U7.15 U8.1 | length 20.9
  Top Layer w0.254: U7.15@96.146,32.145 98.559,32.145 99.931,33.517 99.931,41.943 103.276,45.289 103.276,46.991 103.671,47.385 U8.1@104.757,47.385
NRST: R38.1 STLINK.2 U16.7 | length 68.3
  Top Layer w0.254: v1(92.059,65.373) 92.059,65.149 94.07,63.138 96.133,63.138 101.962,63.138 102.537,62.563 R38.1@104.446,62.563 ; v1(119.202,96.648) STLINK.2@121.92,96.648
  Bottom Layer w0.254: v1(92.059,65.373) 92.064,65.373 98.552,71.861 114.247,71.861 119.405,77.02 119.405,95.626 119.202,95.829 v1@119.202,96.673
PC13: R45.1 U16.2 | length 5.1
  Top Layer w0.254: U16.2@96.333,60.646 98.268,60.646 99.556,59.358 R45.1@100.903,59.358
"PCB TEMP": C53.2 R43.1 R44.2 TEMP.1 U16.10 | length 17.3
  Top Layer w0.254: U16.10@96.333,64.638 100.68,64.638 101.78,65.737 v1(102.973,65.737) ; R44.2@102.973,67.133 v1(102.973,65.737) ; R43.1@108.936,68.961 108.936,67.658 108.816,67.539 108.089,67.539 107.97,67.42 C53.2@107.97,66.219 107.011,66.219 106.529,65.737 v1(102.973,65.737)
"Sensor 1 In": "Sensors Plug.2" R27.2 R28.1 | length 9.6
  Top Layer w0.254: 54.525,38.07 59.466,38.07 60.36,37.176 R27.2@61.416,37.176 R28.1@63.753,37.176
"Sensor 2 In": "Sensors Plug.5" R29.2 R30.1 | length 26.1
  Top Layer w0.254: 48.175,38.07 50.327,35.919 57.173,35.919 58.725,34.366 58.725,24.46 59.256,23.929 R29.2@60.299,23.929 R30.1@62.636,23.929
SWCLK: STLINK.3 U16.37 | length 69
  Top Layer w0.254: U16.37@89.133,58.438 v1(89.133,60.249) ; v1(119.253,99.213) 120.384,98.082 123.354,98.082 STLINK.3@124.46,99.188
  Bottom Layer w0.254: v1(89.133,60.249) 89.133,61.335 95,67.202 95,67.507 97.623,70.129 113.161,70.129 119.888,76.856 119.888,98.578 v1(119.253,99.213)
SWDIO: STLINK.5 U16.34 | length 70.8
  Top Layer w0.25: U16.34@87.433,61.138 89.358,61.138
  Top Layer w0.254: 89.358,61.138 v1(90.247,60.249) ; v1(119.88,100.96) 120.218,100.622 123.354,100.622 STLINK.5@124.46,101.728
  Bottom Layer w0.254: v1(90.247,60.249) 90.247,61.802 95.457,67.013 95.457,67.317 97.732,69.592 113.271,69.592 120.345,76.667 120.345,100.495 v1(119.88,100.96)
Trig/Thres: C14.2 R4.1 R4.2 U4.2 U4.6 | length 20.4
  Top Layer w0.254: C14.2@64.312,48.041 R4.1@68.024,48.041 ; U4.6@66.257,54.853 67.275,54.853 67.275,50.225 68.024,49.477 R4.1@68.024,48.041 ; U4.2@66.257,59.933 v1(67.212,59.933) ; R4.2@70.564,48.041 R4.1@68.024,48.041
  Bottom Layer w0.254: v1(67.212,54.853) v1(67.212,59.933)
UARTRX: SERIAL.3 U16.13 | length 36.2
  Top Layer w0.254: U16.13@94.633,67.338 94.633,68.126 94.782,68.275 95.034,68.275 v1(96.281,67.029)
  Bottom Layer w0.254: v1(96.281,67.029) 96.281,65.009 97.917,63.373 105.258,63.373 109.855,67.97 113.589,67.97 120.676,75.058 SERIAL.3@121.92,75.058
UARTTX: SERIAL.2 U16.12 | length 32.4
  Top Layer w0.254: U16.12@96.333,65.638 v1(97.561,65.638)
  Bottom Layer w0.254: v1(97.561,65.638) 99.369,63.83 105.068,63.83 109.767,68.529 113.501,68.529 121.92,76.948 SERIAL.2@121.92,77.598
USBDM: R35.2 U16.32 | length 51
  Top Layer w0.25: U16.32@87.433,62.138 91.253,62.138 v1(91.821,61.57)
  Top Layer w0.254: v1(113.436,29.275) R35.2@113.436,30.305
  Bottom Layer w0.254: v1@92.024,61.57 93.014,61.57 101.422,53.162 101.422,35.052 107.199,29.275 v1(113.436,29.275)
USBDP: R32.1 R34.2 U16.33 | length 57.8
  Top Layer w0.254: U16.33@87.433,61.638 90.458,61.638 v1(91.745,60.351) ; R34.2@115.62,30.305 v1(115.62,28.564) 115.62,27.636 116.079,27.177 R32.1@118.164,27.177
  Bottom Layer w0.254: v1(91.745,60.351) 93.197,60.351 100.943,52.605 100.943,34.634 107.013,28.564 v1(115.62,28.564)
XTALA: C45.2 R31.1 U16.5 X1.1 | length 23.3
  Top Layer w0.254: U16.5@96.333,62.138 101.464,62.138 102.895,60.706 105.842,60.706 106.324,60.223 106.324,57.099 107.137,56.287 R31.1@108.368,56.287 C45.2@108.368,53.996 111.197,53.996 112.09,53.103 X1.1@112.09,52.475
XTALB: C46.2 R31.2 U16.6 X1.2 | length 22
  Top Layer w0.254: U16.6@96.333,62.638 101.7,62.638 103.149,61.189 106.006,61.189 106.959,60.235 106.959,58.336 107.108,58.187 R31.2@108.368,58.187 C46.2@108.368,60.482 111.197,60.482 112.09,61.375 X1.2@112.09,61.975
XTALC: C47.2 U16.3 X2.1 | length 25.1
  Top Layer w0.254: U16.3@96.333,61.154 99.049,61.154 ; 99.049,61.128 99.2,60.977 v1(100.838,60.977) ; v1(114.949,56.65) 114.949,56.12 115.098,55.971 X2.1@116.916,55.971 C47.2@116.916,53.942
  Bottom Layer w0.254: v1(100.838,60.977) 100.838,60.961 105.149,56.65 v1(114.949,56.65)
XTALD: C48.2 U16.4 X2.2 | length 25
  Top Layer w0.254: U16.4@96.333,61.638 101.07,61.638 v1(101.692,61.016) ; v1(114.949,57.641) 114.949,58.322 115.098,58.471 X2.2@116.916,58.471 C48.2@116.916,60.497
  Bottom Layer w0.254: v1(101.692,61.016) 105.067,57.641 v1(114.949,57.641)
pads on no net: "BSPD Bypass.1" "BSPD Delay Bypass.1" "Sensors Plug.0" "Universal Plug.0" "Universal Plug.2" "Universal Plug.3" "Universal Plug.6" "Universal Plug.7" K1.4 K1.6 K1.8 K1.11 K2.4 K2.6 K2.8 K2.11 STLINK.4 STLINK.6 STLINK.9 STLINK.10 U3.2 U3.14 U6.11 U6.12 U6.13 U7.9 U8.9 U8.10 U8.13 U11.8 U14.8 U14.9 U14.10 U14.12 U14.13 U14.14 U16.11 U16.14 U16.15 U16.16 U16.17 U16.21 U16.22 U16.31 U16.38 U16.39 U16.40 U16.41 USB.A8 USB.B8 USB.P2 USB.P3 USB.P4